# Allegro board meta_module_lay_rev1.brd (continued)
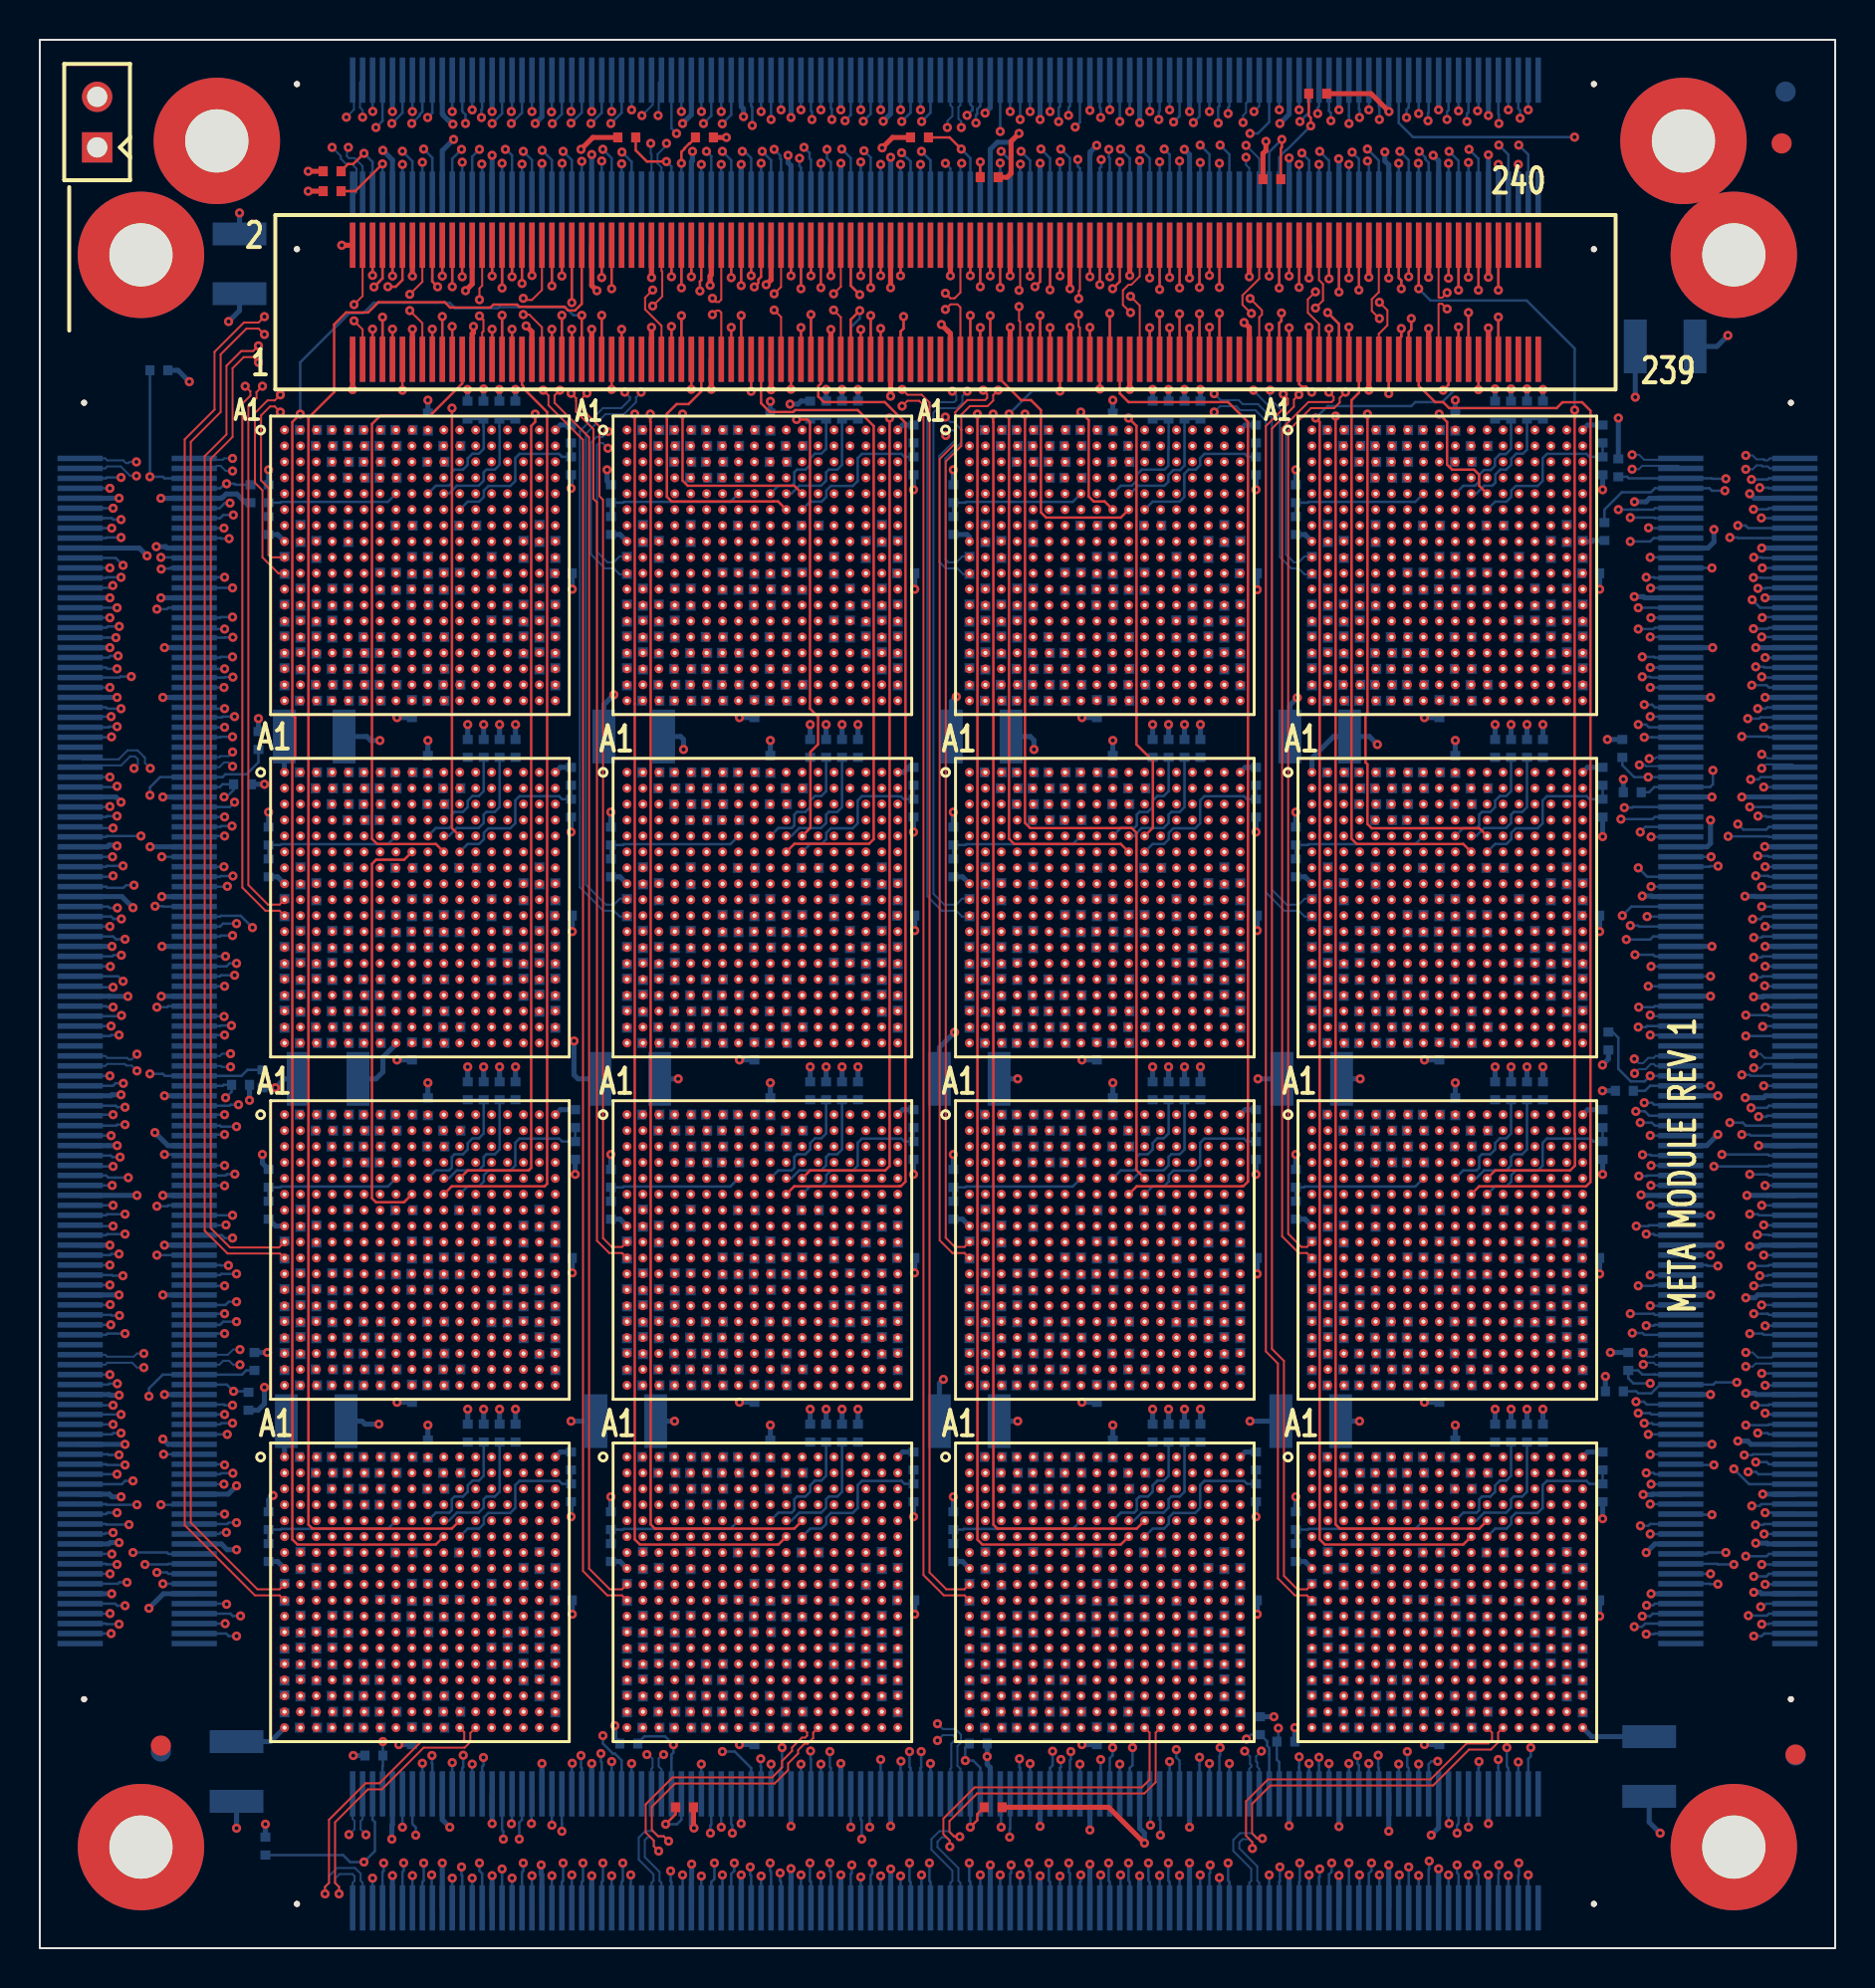
[diagram p0: board, top side]
## Placement (name value [footprint] x y rotation side) (continued)
C263  0.1 uF  [0402]  53.09 17.88 270 bottom
C264  0.1 uF  [0402]  55.49 17.08 270 bottom
C265  0.1 uF  [0402]  49.89 16.28 270 bottom
C266  0.1 uF  [0402]  51.08 14.28 0 bottom
C267  0.1 uF  [0402]  52.69 19.88 180 bottom
C268  0.1 uF  [0402]  49.89 19.48 270 bottom
C269  0.1 uF  [0402]  57.08 14.68 90 bottom
C270  0.1 uF  [0402]  55.89 19.88 180 bottom
C271  0.1 uF  [0402]  54.28 14.28 0 bottom
C272  0.1 uF  [0402]  57.09 17.88 90 bottom
J1  BSH120  [SAMTEC_BSH-120-XX-X-D-A]  45.48 91 180 bottom
J3  BSH120  [SAMTEC_BSH-120-XX-X-D-A]  85.28 45.08 90 bottom
J5  BSH120  [SAMTEC_BSH-120-XX-X-D-A]  45.48 4.89 0 bottom
J6  BSH120  [SAMTEC_BSH-120-XX-X-D-A]  4.89 45.08 270 bottom
J15  -  [HDR_1X2_TH_VER]  2.88 90.48 90 top
J16  BSH120  [SAMTEC_BSH-120-XX-X-D-A]  45.48 82.7 0 top
J18  BSH120  [SAMTEC_BSH-120-XX-X-D-A_NOMH]  45.48 82.7 180 bottom
NOREF  -  []  85.08 5.08 90 top
NOREF#2  -  []  0 0 0 top
NOREF#3  -  []  5.08 5.08 0 top
NOREF#4  -  []  90.17 0 90 top
NOREF#5  -  [unnamed#2]  85.08 5.08 0 top
NOREF#6  -  [unnamed#2]  82.55 90.8 0 top
NOREF#7  -  [unnamed#2]  85.08 85.08 0 top
NOREF#8  -  [unnamed#3]  6.08 10.18 90 top
NOREF#9  -  [unnamed#3]  87.48 90.68 90 top
NOREF#10  -  [unnamed#2]  5.08 5.08 0 top
NOREF#11  -  [unnamed#2]  5.08 85.08 0 top
NOREF#12  -  [unnamed#2]  8.89 90.8 0 top
NOREF#13  -  [unnamed#3]  88.18 9.73 90 top
NOREF#14  -  [unnamed#3]  6.08 9.88 90 bottom
NOREF#15  -  [unnamed#3]  87.68 93.28 90 bottom
NOREF#16  -  [unnamed#3]  88.18 9.68 90 bottom
R1  100.0  [0402]  30.69 76.28 180 bottom
R2  100.0  [0402]  33.89 74.68 180 bottom
R3  100.0  [0402]  31.49 75.48 180 bottom
R4  100.0  [0402]  34.69 73.88 180 bottom
R5  100.0  [0402]  32.29 74.68 180 bottom
R6  100.0  [0402]  33.89 76.28 180 bottom
R7  100.0  [0402]  33.09 73.88 180 bottom
R8  100.0  [0402]  34.69 75.48 180 bottom
R9  100.0  [0402]  32.29 76.28 180 bottom
R10  100.0  [0402]  37.89 75.48 180 bottom
R11  100.0  [0402]  33.09 75.48 180 bottom
R12  100.0  [0402]  37.09 74.68 180 bottom
R13  100.0  [0402]  43.09 63.88 90 bottom
R14  100.0  [0402]  41.49 67.08 90 bottom
R15  100.0  [0402]  40.69 67.88 90 bottom
R16  100.0  [0402]  41.49 65.48 90 bottom
R17  100.0  [0402]  43.09 67.08 90 bottom
R18  100.0  [0402]  42.29 64.68 90 bottom
R19  100.0  [0402]  40.69 66.28 90 bottom
R20  100.0  [0402]  42.29 67.88 90 bottom
R21  100.0  [0402]  43.09 65.48 90 bottom
R22  100.0  [0402]  42.29 71.08 90 bottom
R23  100.0  [0402]  42.29 66.28 90 bottom
R24  100.0  [0402]  41.49 70.28 90 bottom
R25  100.0  [0402]  29.49 63.88 270 bottom
R26  100.0  [0402]  31.09 67.08 270 bottom
R27  100.0  [0402]  30.29 64.68 270 bottom
R28  100.0  [0402]  31.89 67.88 270 bottom
R29  100.0  [0402]  31.09 65.48 270 bottom
R30  100.0  [0402]  29.49 67.08 270 bottom
R31  100.0  [0402]  31.89 66.28 270 bottom
R32  100.0  [0402]  30.29 67.88 270 bottom
R33  100.0  [0402]  29.49 65.48 270 bottom
R34  100.0  [0402]  30.29 71.08 270 bottom
R35  100.0  [0402]  30.29 66.28 270 bottom
R36  100.0  [0402]  31.09 70.28 270 bottom
R37  100.0  [0402]  33.89 64.28 0 bottom
R38  100.0  [0402]  31.49 63.48 0 bottom
R39  100.0  [0402]  34.69 65.08 0 bottom
R40  100.0  [0402]  32.29 64.28 0 bottom
R41  100.0  [0402]  33.89 62.68 0 bottom
R42  100.0  [0402]  33.09 65.08 0 bottom
R43  100.0  [0402]  34.69 63.48 0 bottom
R44  100.0  [0402]  32.29 62.68 0 bottom
R45  100.0  [0402]  37.89 63.48 0 bottom
R46  100.0  [0402]  30.69 62.68 0 bottom
R47  100.0  [0402]  33.09 63.48 0 bottom
R48  100.0  [0402]  37.09 64.28 0 bottom
R49  100.0  [0402]  29.49 69.48 270 bottom
R50  10K  [0402]  38.69 77.28 90 bottom
R51  10K  [0402]  40.29 77.28 90 bottom
R52  10K  [0402]  28.68 73.08 90 bottom
R53  10K  [0402]  43.88 74.48 270 bottom
R54  10K  [0402]  39.49 77.28 270 bottom
R55  10K  [0402]  41.09 77.28 270 bottom
R56  10K  [0402]  28.68 71.48 90 bottom
R57  10K  [0402]  43.88 76.08 270 bottom
R58  100.0  [0402]  30.69 59.08 180 bottom
R59  100.0  [0402]  33.89 57.48 180 bottom
R60  100.0  [0402]  31.49 58.28 180 bottom
R61  100.0  [0402]  34.69 56.68 180 bottom
R62  100.0  [0402]  32.29 57.48 180 bottom
R63  100.0  [0402]  33.89 59.08 180 bottom
R64  100.0  [0402]  33.09 56.68 180 bottom
R65  100.0  [0402]  34.69 58.28 180 bottom
R66  100.0  [0402]  32.29 59.08 180 bottom
R67  100.0  [0402]  37.89 58.28 180 bottom
R68  100.0  [0402]  33.09 58.28 180 bottom
R69  100.0  [0402]  37.09 57.48 180 bottom
R70  100.0  [0402]  43.09 46.68 90 bottom
R71  100.0  [0402]  41.49 49.88 90 bottom
R72  100.0  [0402]  40.69 50.68 90 bottom
R73  100.0  [0402]  41.49 48.28 90 bottom
R74  100.0  [0402]  43.09 49.88 90 bottom
R75  100.0  [0402]  42.29 47.48 90 bottom
R76  100.0  [0402]  40.69 49.08 90 bottom
R77  100.0  [0402]  42.29 50.68 90 bottom
R78  100.0  [0402]  43.09 48.28 90 bottom
R79  100.0  [0402]  42.29 53.88 90 bottom
R80  100.0  [0402]  42.29 49.08 90 bottom
R81  100.0  [0402]  41.49 53.08 90 bottom
R82  100.0  [0402]  29.49 46.68 270 bottom
R83  100.0  [0402]  31.09 49.88 270 bottom
R84  100.0  [0402]  30.29 47.48 270 bottom
R85  100.0  [0402]  31.89 50.68 270 bottom
R86  100.0  [0402]  31.09 48.28 270 bottom
R87  100.0  [0402]  29.49 49.88 270 bottom
R88  100.0  [0402]  31.89 49.08 270 bottom
R89  100.0  [0402]  30.29 50.68 270 bottom
R90  100.0  [0402]  29.49 48.28 270 bottom
R91  100.0  [0402]  30.29 53.88 270 bottom
R92  100.0  [0402]  30.29 49.08 270 bottom
R93  100.0  [0402]  31.09 53.08 270 bottom
R94  100.0  [0402]  32.29 47.08 0 bottom
R95  100.0  [0402]  33.89 45.48 0 bottom
R96  100.0  [0402]  30.69 45.48 0 bottom
R97  100.0  [0402]  33.89 47.08 0 bottom
R98  100.0  [0402]  31.49 46.28 0 bottom
R99  100.0  [0402]  34.69 47.88 0 bottom
R100  100.0  [0402]  33.09 47.88 0 bottom
R101  100.0  [0402]  34.69 46.28 0 bottom
R102  100.0  [0402]  32.29 45.48 0 bottom
R103  100.0  [0402]  37.89 46.28 0 bottom
R104  100.0  [0402]  33.09 46.28 0 bottom
R105  100.0  [0402]  37.09 47.08 0 bottom
R106  100.0  [0402]  29.49 52.28 270 bottom
R107  10K  [0402]  38.69 60.28 90 bottom
R108  10K  [0402]  40.29 60.28 90 bottom
R109  10K  [0402]  28.68 55.88 90 bottom
R110  10K  [0402]  43.88 57.28 270 bottom
R111  10K  [0402]  39.49 60.28 270 bottom
R112  10K  [0402]  41.09 60.28 270 bottom
R113  10K  [0402]  28.68 54.28 90 bottom
R114  10K  [0402]  43.88 58.88 270 bottom
R115  100.0  [0402]  13.49 76.28 180 bottom
R116  100.0  [0402]  16.69 74.68 180 bottom
R117  100.0  [0402]  14.29 75.48 180 bottom
R118  100.0  [0402]  17.49 73.88 180 bottom
R119  100.0  [0402]  15.09 74.68 180 bottom
R120  100.0  [0402]  16.69 76.28 180 bottom
R121  100.0  [0402]  15.89 73.88 180 bottom
R122  100.0  [0402]  17.49 75.48 180 bottom
R123  100.0  [0402]  15.09 76.28 180 bottom
R124  100.0  [0402]  20.69 75.48 180 bottom
R125  100.0  [0402]  15.89 75.48 180 bottom
R126  100.0  [0402]  19.89 74.68 180 bottom
R127  100.0  [0402]  25.89 63.88 90 bottom
R128  100.0  [0402]  24.29 67.08 90 bottom
R129  100.0  [0402]  25.09 64.68 90 bottom
R130  100.0  [0402]  23.49 67.88 90 bottom
R131  100.0  [0402]  24.29 65.48 90 bottom
R132  100.0  [0402]  25.89 67.08 90 bottom
R133  100.0  [0402]  23.49 66.28 90 bottom
R134  100.0  [0402]  25.09 67.88 90 bottom
R135  100.0  [0402]  25.89 65.48 90 bottom
R136  100.0  [0402]  25.09 71.08 90 bottom
R137  100.0  [0402]  25.09 66.28 90 bottom
R138  100.0  [0402]  24.29 70.28 90 bottom
R139  100.0  [0402]  12.29 63.88 270 bottom
R140  100.0  [0402]  13.89 67.08 270 bottom
R141  100.0  [0402]  13.09 64.68 270 bottom
R142  100.0  [0402]  14.69 67.88 270 bottom
R143  100.0  [0402]  13.89 65.48 270 bottom
R144  100.0  [0402]  12.29 67.08 270 bottom
R145  100.0  [0402]  14.69 66.28 270 bottom
R146  100.0  [0402]  13.09 67.88 270 bottom
R147  100.0  [0402]  12.29 65.48 270 bottom
R148  100.0  [0402]  13.09 71.08 270 bottom
R149  100.0  [0402]  13.09 66.28 270 bottom
R150  100.0  [0402]  13.89 70.28 270 bottom
R151  100.0  [0402]  15.09 64.28 0 bottom
R152  100.0  [0402]  16.69 62.68 0 bottom
R153  100.0  [0402]  13.49 62.68 0 bottom
R154  100.0  [0402]  16.69 64.28 0 bottom
R155  100.0  [0402]  14.29 63.48 0 bottom
R156  100.0  [0402]  17.49 65.08 0 bottom
R157  100.0  [0402]  15.89 65.08 0 bottom
R158  100.0  [0402]  17.49 63.48 0 bottom
R159  100.0  [0402]  15.09 62.68 0 bottom
R160  100.0  [0402]  20.69 63.48 0 bottom
R161  100.0  [0402]  15.89 63.48 0 bottom
R162  100.0  [0402]  19.89 64.28 0 bottom
R163  100.0  [0402]  12.29 69.48 270 bottom
R164  10K  [0402]  21.48 77.28 90 bottom
R165  10K  [0402]  23.08 77.28 90 bottom
R166  10K  [0402]  11.49 73.08 90 bottom
R167  10K  [0402]  26.68 74.48 270 bottom
R168  10K  [0402]  22.28 77.28 270 bottom
R169  10K  [0402]  23.88 77.28 270 bottom
R170  10K  [0402]  11.49 71.48 90 bottom
R171  10K  [0402]  26.68 76.08 270 bottom
R172  100.0  [0402]  13.49 59.08 180 bottom
R173  100.0  [0402]  16.69 57.48 180 bottom
R174  100.0  [0402]  14.29 58.28 180 bottom
R175  100.0  [0402]  17.49 56.68 180 bottom
R176  100.0  [0402]  15.09 57.48 180 bottom
R177  100.0  [0402]  16.69 59.08 180 bottom
R178  100.0  [0402]  15.89 56.68 180 bottom
R179  100.0  [0402]  17.49 58.28 180 bottom
R180  100.0  [0402]  15.09 59.08 180 bottom
R181  100.0  [0402]  20.69 58.28 180 bottom
R182  100.0  [0402]  15.89 58.28 180 bottom
R183  100.0  [0402]  19.89 57.48 180 bottom
R184  100.0  [0402]  25.89 46.68 90 bottom
R185  100.0  [0402]  24.29 49.88 90 bottom
R186  100.0  [0402]  25.09 47.48 90 bottom
R187  100.0  [0402]  23.49 50.68 90 bottom
R188  100.0  [0402]  24.29 48.28 90 bottom
R189  100.0  [0402]  25.89 49.88 90 bottom
R190  100.0  [0402]  23.49 49.08 90 bottom
R191  100.0  [0402]  25.09 50.68 90 bottom
R192  100.0  [0402]  25.89 48.28 90 bottom
R193  100.0  [0402]  25.09 53.88 90 bottom
R194  100.0  [0402]  25.09 49.08 90 bottom
R195  100.0  [0402]  24.29 53.08 90 bottom
R196  100.0  [0402]  12.29 46.68 270 bottom
R197  100.0  [0402]  13.89 49.88 270 bottom
R198  100.0  [0402]  13.09 47.48 270 bottom
R199  100.0  [0402]  14.69 50.68 270 bottom
R200  100.0  [0402]  13.89 48.28 270 bottom
R201  100.0  [0402]  12.29 49.88 270 bottom
R202  100.0  [0402]  14.69 49.08 270 bottom
R203  100.0  [0402]  13.09 50.68 270 bottom
R204  100.0  [0402]  12.29 48.28 270 bottom
R205  100.0  [0402]  13.09 53.88 270 bottom
R206  100.0  [0402]  13.09 49.08 270 bottom
R207  100.0  [0402]  13.89 53.08 270 bottom
R208  100.0  [0402]  15.09 47.08 0 bottom
R209  100.0  [0402]  16.69 45.48 0 bottom
R210  100.0  [0402]  13.49 45.48 0 bottom
R211  100.0  [0402]  16.69 47.08 0 bottom
R212  100.0  [0402]  14.29 46.28 0 bottom
R213  100.0  [0402]  17.49 47.88 0 bottom
R214  100.0  [0402]  15.89 47.88 0 bottom
R215  100.0  [0402]  17.49 46.28 0 bottom
R216  100.0  [0402]  15.09 45.48 0 bottom
R217  100.0  [0402]  20.69 46.28 0 bottom
R218  100.0  [0402]  15.89 46.28 0 bottom
R219  100.0  [0402]  19.89 47.08 0 bottom
R220  100.0  [0402]  12.29 52.28 270 bottom
R221  10K  [0402]  21.49 60.28 90 bottom
R222  10K  [0402]  23.09 60.28 90 bottom
R223  10K  [0402]  11.49 55.88 90 bottom
R224  10K  [0402]  26.68 57.28 270 bottom
R225  10K  [0402]  22.29 60.28 270 bottom
R226  10K  [0402]  23.89 60.28 270 bottom
R227  10K  [0402]  11.49 54.28 90 bottom
R228  10K  [0402]  26.68 58.88 270 bottom
R229  100.0  [0402]  65.09 76.28 180 bottom
R230  100.0  [0402]  68.29 74.68 180 bottom
R231  100.0  [0402]  65.89 75.48 180 bottom
R232  100.0  [0402]  69.09 73.88 180 bottom
R233  100.0  [0402]  66.69 74.68 180 bottom
R234  100.0  [0402]  68.29 76.28 180 bottom
R235  100.0  [0402]  67.49 73.88 180 bottom
R236  100.0  [0402]  69.09 75.48 180 bottom
R237  100.0  [0402]  66.69 76.28 180 bottom
R238  100.0  [0402]  72.29 75.48 180 bottom
R239  100.0  [0402]  67.49 75.48 180 bottom
R240  100.0  [0402]  71.49 74.68 180 bottom
R241  100.0  [0402]  77.49 63.88 90 bottom
R242  100.0  [0402]  75.89 67.08 90 bottom
R243  100.0  [0402]  76.69 64.68 90 bottom
R244  100.0  [0402]  75.09 67.88 90 bottom
R245  100.0  [0402]  75.89 65.48 90 bottom
R246  100.0  [0402]  77.49 67.08 90 bottom
R247  100.0  [0402]  75.09 66.28 90 bottom
R248  100.0  [0402]  76.69 67.88 90 bottom
R249  100.0  [0402]  77.49 65.48 90 bottom
R250  100.0  [0402]  76.69 71.08 90 bottom
R251  100.0  [0402]  76.69 66.28 90 bottom
R252  100.0  [0402]  75.89 70.28 90 bottom
R253  100.0  [0402]  63.89 63.88 270 bottom
R254  100.0  [0402]  65.49 67.08 270 bottom
R255  100.0  [0402]  64.69 64.68 270 bottom
R256  100.0  [0402]  66.29 67.88 270 bottom
R257  100.0  [0402]  65.49 65.48 270 bottom
R258  100.0  [0402]  63.89 67.08 270 bottom
R259  100.0  [0402]  66.29 66.28 270 bottom
R260  100.0  [0402]  64.69 67.88 270 bottom
R261  100.0  [0402]  63.89 65.48 270 bottom
R262  100.0  [0402]  64.69 71.08 270 bottom
R263  100.0  [0402]  64.69 66.28 270 bottom
R264  100.0  [0402]  65.49 70.28 270 bottom
R265  100.0  [0402]  66.69 64.28 0 bottom
R266  100.0  [0402]  68.29 62.68 0 bottom
R267  100.0  [0402]  65.09 62.68 0 bottom
R268  100.0  [0402]  68.29 64.28 0 bottom
R269  100.0  [0402]  65.89 63.48 0 bottom
R270  100.0  [0402]  69.09 65.08 0 bottom
R271  100.0  [0402]  67.49 65.08 0 bottom
R272  100.0  [0402]  69.09 63.48 0 bottom
R273  100.0  [0402]  66.69 62.68 0 bottom
R274  100.0  [0402]  72.29 63.48 0 bottom
R275  100.0  [0402]  67.49 63.48 0 bottom
R276  100.0  [0402]  71.49 64.28 0 bottom
R277  100.0  [0402]  63.89 69.48 270 bottom
R278  10K  [0402]  73.09 77.28 90 bottom
R279  10K  [0402]  74.69 77.28 90 bottom
R280  10K  [0402]  63.08 73.08 90 bottom
R281  10K  [0402]  78.49 74.48 270 bottom
R282  10K  [0402]  73.89 77.28 270 bottom
R283  10K  [0402]  75.49 77.28 270 bottom
R284  10K  [0402]  63.08 71.48 90 bottom
R285  10K  [0402]  78.49 76.08 270 bottom
R286  100.0  [0402]  65.09 59.08 180 bottom
R287  100.0  [0402]  68.29 57.48 180 bottom
R288  100.0  [0402]  65.89 58.28 180 bottom
R289  100.0  [0402]  69.09 56.68 180 bottom
R290  100.0  [0402]  66.69 57.48 180 bottom
R291  100.0  [0402]  68.29 59.08 180 bottom
R292  100.0  [0402]  67.49 56.68 180 bottom
R293  100.0  [0402]  69.09 58.28 180 bottom
R294  100.0  [0402]  66.69 59.08 180 bottom
R295  100.0  [0402]  72.29 58.28 180 bottom
R296  100.0  [0402]  67.49 58.28 180 bottom
R297  100.0  [0402]  71.49 57.48 180 bottom
R298  100.0  [0402]  77.49 46.68 90 bottom
R299  100.0  [0402]  75.89 49.88 90 bottom
R300  100.0  [0402]  76.69 47.48 90 bottom
R301  100.0  [0402]  75.09 50.68 90 bottom
R302  100.0  [0402]  75.89 48.28 90 bottom
R303  100.0  [0402]  77.49 49.88 90 bottom
R304  100.0  [0402]  75.09 49.08 90 bottom
R305  100.0  [0402]  76.69 50.68 90 bottom
R306  100.0  [0402]  77.49 48.28 90 bottom
R307  100.0  [0402]  76.69 53.88 90 bottom
R308  100.0  [0402]  76.69 49.08 90 bottom
R309  100.0  [0402]  75.89 53.08 90 bottom
R310  100.0  [0402]  63.89 46.68 270 bottom
R311  100.0  [0402]  65.49 49.88 270 bottom
R312  100.0  [0402]  64.69 47.48 270 bottom
R313  100.0  [0402]  66.29 50.68 270 bottom
R314  100.0  [0402]  65.49 48.28 270 bottom
R315  100.0  [0402]  63.89 49.88 270 bottom
R316  100.0  [0402]  66.29 49.08 270 bottom
R317  100.0  [0402]  64.69 50.68 270 bottom
R318  100.0  [0402]  63.89 48.28 270 bottom
R319  100.0  [0402]  64.69 53.88 270 bottom
R320  100.0  [0402]  64.69 49.08 270 bottom
R321  100.0  [0402]  65.49 53.08 270 bottom
R322  100.0  [0402]  66.69 47.08 0 bottom
R323  100.0  [0402]  68.29 45.48 0 bottom
R324  100.0  [0402]  65.09 45.48 0 bottom
R325  100.0  [0402]  68.29 47.08 0 bottom
R326  100.0  [0402]  65.89 46.28 0 bottom
R327  100.0  [0402]  69.09 47.88 0 bottom
R328  100.0  [0402]  67.49 47.88 0 bottom
R329  100.0  [0402]  69.09 46.28 0 bottom
R330  100.0  [0402]  66.69 45.48 0 bottom
R331  100.0  [0402]  72.29 46.28 0 bottom
R332  100.0  [0402]  67.49 46.28 0 bottom
R333  100.0  [0402]  71.49 47.08 0 bottom
R334  100.0  [0402]  63.89 52.28 270 bottom
R335  10K  [0402]  73.09 60.28 90 bottom
R336  10K  [0402]  74.69 60.28 90 bottom
R337  10K  [0402]  63.08 55.88 90 bottom
R338  10K  [0402]  78.49 57.28 270 bottom
R339  10K  [0402]  73.89 60.28 270 bottom
R340  10K  [0402]  75.49 60.28 270 bottom
R341  10K  [0402]  63.08 54.28 90 bottom
R342  10K  [0402]  78.49 58.88 270 bottom
R343  100.0  [0402]  47.89 76.28 180 bottom
R344  100.0  [0402]  51.09 74.68 180 bottom
R345  100.0  [0402]  48.69 75.48 180 bottom
R346  100.0  [0402]  51.89 73.88 180 bottom
R347  100.0  [0402]  49.49 74.68 180 bottom
R348  100.0  [0402]  51.09 76.28 180 bottom
R349  100.0  [0402]  50.29 73.88 180 bottom
R350  100.0  [0402]  51.89 75.48 180 bottom
R351  100.0  [0402]  49.49 76.28 180 bottom
R352  100.0  [0402]  55.09 75.48 180 bottom
R353  100.0  [0402]  50.29 75.48 180 bottom
R354  100.0  [0402]  54.29 74.68 180 bottom
R355  100.0  [0402]  60.29 63.88 90 bottom
R356  100.0  [0402]  58.69 67.08 90 bottom
R357  100.0  [0402]  59.49 64.68 90 bottom
R358  100.0  [0402]  57.89 67.88 90 bottom
R359  100.0  [0402]  58.69 65.48 90 bottom
R360  100.0  [0402]  60.29 67.08 90 bottom
R361  100.0  [0402]  57.89 66.28 90 bottom
R362  100.0  [0402]  59.49 67.88 90 bottom
R363  100.0  [0402]  60.29 65.48 90 bottom
R364  100.0  [0402]  59.49 71.08 90 bottom
R365  100.0  [0402]  59.49 66.28 90 bottom
R366  100.0  [0402]  58.69 70.28 90 bottom
R367  100.0  [0402]  46.69 63.88 270 bottom
R368  100.0  [0402]  48.29 67.08 270 bottom
R369  100.0  [0402]  47.49 64.68 270 bottom
R370  100.0  [0402]  49.09 67.88 270 bottom
R371  100.0  [0402]  48.29 65.48 270 bottom
R372  100.0  [0402]  46.69 67.08 270 bottom
R373  100.0  [0402]  49.09 66.28 270 bottom
R374  100.0  [0402]  47.49 67.88 270 bottom
R375  100.0  [0402]  46.69 65.48 270 bottom
R376  100.0  [0402]  47.49 71.08 270 bottom
R377  100.0  [0402]  47.49 66.28 270 bottom
R378  100.0  [0402]  48.29 70.28 270 bottom
R379  100.0  [0402]  49.49 64.28 0 bottom
R380  100.0  [0402]  51.09 62.68 0 bottom
R381  100.0  [0402]  47.89 62.68 0 bottom
R382  100.0  [0402]  51.09 64.28 0 bottom
R383  100.0  [0402]  48.69 63.48 0 bottom
R384  100.0  [0402]  51.89 65.08 0 bottom
R385  100.0  [0402]  50.29 65.08 0 bottom
R386  100.0  [0402]  51.89 63.48 0 bottom
R387  100.0  [0402]  49.49 62.68 0 bottom
R388  100.0  [0402]  55.09 63.48 0 bottom
R389  100.0  [0402]  50.29 63.48 0 bottom
R390  100.0  [0402]  54.29 64.28 0 bottom
R391  100.0  [0402]  46.69 69.48 270 bottom
R392  10K  [0402]  55.89 77.28 90 bottom
R393  10K  [0402]  57.49 77.28 90 bottom
R394  10K  [0402]  45.88 73.08 90 bottom
R395  10K  [0402]  61.08 74.48 270 bottom
R396  10K  [0402]  56.69 77.28 270 bottom
R397  10K  [0402]  58.29 77.28 270 bottom
R398  10K  [0402]  45.88 71.48 90 bottom
R399  10K  [0402]  61.08 76.08 270 bottom
R400  100.0  [0402]  47.89 59.08 180 bottom
R401  100.0  [0402]  51.09 57.48 180 bottom
R402  100.0  [0402]  48.69 58.28 180 bottom
R403  100.0  [0402]  51.89 56.68 180 bottom
R404  100.0  [0402]  49.49 57.48 180 bottom
R405  100.0  [0402]  51.09 59.08 180 bottom
R406  100.0  [0402]  50.29 56.68 180 bottom
R407  100.0  [0402]  51.89 58.28 180 bottom
R408  100.0  [0402]  49.49 59.08 180 bottom
R409  100.0  [0402]  55.09 58.28 180 bottom
R410  100.0  [0402]  50.29 58.28 180 bottom
R411  100.0  [0402]  54.29 57.48 180 bottom
R412  100.0  [0402]  60.29 46.68 90 bottom
R413  100.0  [0402]  58.69 49.88 90 bottom
R414  100.0  [0402]  59.49 47.48 90 bottom
R415  100.0  [0402]  57.89 50.68 90 bottom
R416  100.0  [0402]  58.69 48.28 90 bottom
R417  100.0  [0402]  60.29 49.88 90 bottom
R418  100.0  [0402]  57.89 49.08 90 bottom
R419  100.0  [0402]  59.49 50.68 90 bottom
R420  100.0  [0402]  60.29 48.28 90 bottom
R421  100.0  [0402]  59.49 53.88 90 bottom
R422  100.0  [0402]  59.49 49.08 90 bottom
R423  100.0  [0402]  58.69 53.08 90 bottom
R424  100.0  [0402]  46.69 46.68 270 bottom
R425  100.0  [0402]  48.29 49.88 270 bottom
R426  100.0  [0402]  47.49 47.48 270 bottom
R427  100.0  [0402]  49.09 50.68 270 bottom
R428  100.0  [0402]  48.29 48.28 270 bottom
R429  100.0  [0402]  46.69 49.88 270 bottom
R430  100.0  [0402]  49.09 49.08 270 bottom
R431  100.0  [0402]  47.49 50.68 270 bottom
R432  100.0  [0402]  46.69 48.28 270 bottom
R433  100.0  [0402]  47.49 53.88 270 bottom
R434  100.0  [0402]  47.49 49.08 270 bottom
R435  100.0  [0402]  48.29 53.08 270 bottom
R436  100.0  [0402]  49.49 47.08 0 bottom
R437  100.0  [0402]  51.09 45.48 0 bottom
R438  100.0  [0402]  47.89 45.48 0 bottom
R439  100.0  [0402]  51.09 47.08 0 bottom
R440  100.0  [0402]  48.69 46.28 0 bottom
R441  100.0  [0402]  51.89 47.88 0 bottom
R442  100.0  [0402]  50.29 47.88 0 bottom
R443  100.0  [0402]  51.89 46.28 0 bottom
R444  100.0  [0402]  49.49 45.48 0 bottom
R445  100.0  [0402]  55.09 46.28 0 bottom
R446  100.0  [0402]  50.29 46.28 0 bottom
R447  100.0  [0402]  54.29 47.08 0 bottom
R448  100.0  [0402]  46.69 52.28 270 bottom
R449  10K  [0402]  55.89 60.28 90 bottom
R450  10K  [0402]  57.49 60.28 90 bottom
R451  10K  [0402]  45.88 55.88 90 bottom
R452  10K  [0402]  61.08 57.28 270 bottom
R453  10K  [0402]  56.69 60.28 270 bottom
R454  10K  [0402]  58.29 60.28 270 bottom
R455  10K  [0402]  45.88 54.28 90 bottom
R456  10K  [0402]  61.08 58.88 270 bottom
R457  100.0  [0402]  30.69 41.88 180 bottom
R458  100.0  [0402]  33.89 40.28 180 bottom
R459  100.0  [0402]  31.49 41.08 180 bottom
R460  100.0  [0402]  34.69 39.48 180 bottom
R461  100.0  [0402]  32.29 40.28 180 bottom
R462  100.0  [0402]  33.89 41.88 180 bottom
R463  100.0  [0402]  33.09 39.48 180 bottom
R464  100.0  [0402]  34.69 41.08 180 bottom
R465  100.0  [0402]  32.29 41.88 180 bottom
R466  100.0  [0402]  37.89 41.08 180 bottom
R467  100.0  [0402]  33.09 41.08 180 bottom
R468  100.0  [0402]  37.09 40.28 180 bottom
R469  100.0  [0402]  43.09 29.48 90 bottom
R470  100.0  [0402]  41.49 32.68 90 bottom
R471  100.0  [0402]  42.29 30.28 90 bottom
R472  100.0  [0402]  40.69 33.48 90 bottom
R473  100.0  [0402]  41.49 31.08 90 bottom
R474  100.0  [0402]  43.09 32.68 90 bottom
R475  100.0  [0402]  40.69 31.88 90 bottom
R476  100.0  [0402]  42.29 33.48 90 bottom
R477  100.0  [0402]  43.09 31.08 90 bottom
R478  100.0  [0402]  42.29 36.68 90 bottom
R479  100.0  [0402]  42.29 31.88 90 bottom
R480  100.0  [0402]  41.49 35.88 90 bottom
R481  100.0  [0402]  29.49 29.48 270 bottom
R482  100.0  [0402]  31.09 32.68 270 bottom
R483  100.0  [0402]  30.29 30.28 270 bottom
R484  100.0  [0402]  31.89 33.48 270 bottom
R485  100.0  [0402]  31.09 31.08 270 bottom
R486  100.0  [0402]  29.49 32.68 270 bottom
R487  100.0  [0402]  31.89 31.88 270 bottom
R488  100.0  [0402]  30.29 33.48 270 bottom
R489  100.0  [0402]  29.49 31.08 270 bottom
R490  100.0  [0402]  30.29 36.68 270 bottom
R491  100.0  [0402]  30.29 31.88 270 bottom
R492  100.0  [0402]  31.09 35.88 270 bottom
R493  100.0  [0402]  32.29 29.88 0 bottom
R494  100.0  [0402]  33.89 28.28 0 bottom
R495  100.0  [0402]  30.69 28.28 0 bottom
R496  100.0  [0402]  33.89 29.88 0 bottom
R497  100.0  [0402]  31.49 29.08 0 bottom
R498  100.0  [0402]  34.69 30.68 0 bottom
R499  100.0  [0402]  33.09 30.68 0 bottom
R500  100.0  [0402]  34.69 29.08 0 bottom
R501  100.0  [0402]  32.29 28.28 0 bottom
R502  100.0  [0402]  37.89 29.08 0 bottom
R503  100.0  [0402]  33.09 29.08 0 bottom
R504  100.0  [0402]  37.09 29.88 0 bottom
R505  100.0  [0402]  29.49 35.08 270 bottom
R506  10K  [0402]  38.69 43.08 90 bottom
R507  10K  [0402]  40.29 43.08 90 bottom
R508  10K  [0402]  28.68 38.68 90 bottom
R509  10K  [0402]  43.88 40.08 270 bottom
R510  10K  [0402]  39.49 43.08 270 bottom
R511  10K  [0402]  41.09 43.08 270 bottom
R512  10K  [0402]  28.68 37.08 90 bottom
R513  10K  [0402]  43.88 41.68 270 bottom
R514  100.0  [0402]  30.69 24.68 180 bottom
R515  100.0  [0402]  33.89 23.08 180 bottom
R516  100.0  [0402]  31.49 23.88 180 bottom
R517  100.0  [0402]  34.69 22.28 180 bottom
R518  100.0  [0402]  32.29 23.08 180 bottom
R519  100.0  [0402]  33.89 24.68 180 bottom
R520  100.0  [0402]  33.09 22.28 180 bottom
R521  100.0  [0402]  34.69 23.88 180 bottom
R522  100.0  [0402]  32.29 24.68 180 bottom
R523  100.0  [0402]  37.89 23.88 180 bottom
R524  100.0  [0402]  33.09 23.88 180 bottom
R525  100.0  [0402]  37.09 23.08 180 bottom
R526  100.0  [0402]  43.09 12.28 90 bottom
R527  100.0  [0402]  41.49 15.48 90 bottom
R528  100.0  [0402]  42.29 13.08 90 bottom
R529  100.0  [0402]  40.69 16.28 90 bottom
R530  100.0  [0402]  41.49 13.88 90 bottom
R531  100.0  [0402]  43.09 15.48 90 bottom
R532  100.0  [0402]  40.69 14.68 90 bottom
R533  100.0  [0402]  42.29 16.28 90 bottom
R534  100.0  [0402]  43.09 13.88 90 bottom
R535  100.0  [0402]  42.29 19.48 90 bottom
R536  100.0  [0402]  42.29 14.68 90 bottom
R537  100.0  [0402]  41.49 18.68 90 bottom
R538  100.0  [0402]  29.49 12.28 270 bottom
R539  100.0  [0402]  31.09 15.48 270 bottom
R540  100.0  [0402]  30.29 13.08 270 bottom
R541  100.0  [0402]  31.89 16.28 270 bottom
R542  100.0  [0402]  31.09 13.88 270 bottom
R543  100.0  [0402]  29.49 15.48 270 bottom
R544  100.0  [0402]  31.89 14.68 270 bottom
R545  100.0  [0402]  30.29 16.28 270 bottom
R546  100.0  [0402]  29.49 13.88 270 bottom
R547  100.0  [0402]  30.29 19.48 270 bottom
R548  100.0  [0402]  30.29 14.68 270 bottom
R549  100.0  [0402]  31.09 18.68 270 bottom
R550  100.0  [0402]  32.29 12.68 0 bottom
R551  100.0  [0402]  33.89 11.08 0 bottom
R552  100.0  [0402]  30.69 11.08 0 bottom
R553  100.0  [0402]  33.89 12.68 0 bottom
R554  100.0  [0402]  31.49 11.88 0 bottom
R555  100.0  [0402]  34.69 13.48 0 bottom
R556  100.0  [0402]  33.09 13.48 0 bottom
R557  100.0  [0402]  34.69 11.88 0 bottom
R558  100.0  [0402]  32.29 11.08 0 bottom
R559  100.0  [0402]  37.89 11.88 0 bottom
R560  100.0  [0402]  33.09 11.88 0 bottom
R561  100.0  [0402]  37.09 12.68 0 bottom
R562  100.0  [0402]  29.49 17.88 270 bottom
R563  10K  [0402]  38.69 25.88 90 bottom
R564  10K  [0402]  40.29 25.88 90 bottom
R565  10K  [0402]  28.68 21.48 90 bottom
R566  10K  [0402]  43.88 22.88 270 bottom
R567  10K  [0402]  39.49 25.88 270 bottom
R568  10K  [0402]  41.09 25.88 270 bottom
R569  10K  [0402]  28.68 19.88 90 bottom
R570  10K  [0402]  43.88 24.48 270 bottom
R571  100.0  [0402]  13.49 41.88 180 bottom
R572  100.0  [0402]  16.69 40.28 180 bottom
R573  100.0  [0402]  14.29 41.08 180 bottom
R574  100.0  [0402]  17.49 39.48 180 bottom
R575  100.0  [0402]  15.09 40.28 180 bottom
R576  100.0  [0402]  16.69 41.88 180 bottom
R577  100.0  [0402]  15.89 39.48 180 bottom
R578  100.0  [0402]  17.49 41.08 180 bottom
R579  100.0  [0402]  15.09 41.88 180 bottom
R580  100.0  [0402]  20.69 41.08 180 bottom
R581  100.0  [0402]  15.89 41.08 180 bottom
R582  100.0  [0402]  19.89 40.28 180 bottom
R583  100.0  [0402]  25.89 29.48 90 bottom
R584  100.0  [0402]  24.29 32.68 90 bottom
R585  100.0  [0402]  25.09 30.28 90 bottom
R586  100.0  [0402]  23.49 33.48 90 bottom
R587  100.0  [0402]  24.29 31.08 90 bottom
R588  100.0  [0402]  25.89 32.68 90 bottom
R589  100.0  [0402]  23.49 31.88 90 bottom
R590  100.0  [0402]  25.09 33.48 90 bottom
R591  100.0  [0402]  25.89 31.08 90 bottom
R592  100.0  [0402]  25.09 36.68 90 bottom
R593  100.0  [0402]  25.09 31.88 90 bottom
R594  100.0  [0402]  24.29 35.88 90 bottom
R595  100.0  [0402]  12.29 29.48 270 bottom
R596  100.0  [0402]  13.89 32.68 270 bottom
R597  100.0  [0402]  13.09 30.28 270 bottom
R598  100.0  [0402]  14.69 33.48 270 bottom
R599  100.0  [0402]  13.89 31.08 270 bottom
R600  100.0  [0402]  12.29 32.68 270 bottom
R601  100.0  [0402]  14.69 31.88 270 bottom
R602  100.0  [0402]  13.09 33.48 270 bottom
R603  100.0  [0402]  12.29 31.08 270 bottom
R604  100.0  [0402]  13.09 36.68 270 bottom
R605  100.0  [0402]  13.09 31.88 270 bottom
R606  100.0  [0402]  13.89 35.88 270 bottom
R607  100.0  [0402]  15.09 29.88 0 bottom
R608  100.0  [0402]  16.69 28.28 0 bottom
R609  100.0  [0402]  13.49 28.28 0 bottom
R610  100.0  [0402]  16.69 29.88 0 bottom
R611  100.0  [0402]  14.29 29.08 0 bottom
R612  100.0  [0402]  17.49 30.68 0 bottom
R613  100.0  [0402]  15.89 30.68 0 bottom
R614  100.0  [0402]  17.49 29.08 0 bottom
R615  100.0  [0402]  15.09 28.28 0 bottom
R616  100.0  [0402]  20.69 29.08 0 bottom
R617  100.0  [0402]  15.89 29.08 0 bottom
R618  100.0  [0402]  19.89 29.88 0 bottom
R619  100.0  [0402]  12.29 35.08 270 bottom
R620  10K  [0402]  21.49 43.08 90 bottom
R621  10K  [0402]  23.09 43.08 90 bottom
R622  10K  [0402]  11.49 38.68 90 bottom
R623  10K  [0402]  26.89 40.08 270 bottom
R624  10K  [0402]  22.29 43.08 270 bottom
R625  10K  [0402]  23.89 43.08 270 bottom
R626  10K  [0402]  11.49 37.08 90 bottom
R627  10K  [0402]  26.89 41.68 270 bottom
R628  100.0  [0402]  13.49 24.68 180 bottom
R629  100.0  [0402]  16.69 23.08 180 bottom
R630  100.0  [0402]  14.29 23.88 180 bottom
R631  100.0  [0402]  17.49 22.28 180 bottom
R632  100.0  [0402]  15.09 23.08 180 bottom
R633  100.0  [0402]  16.69 24.68 180 bottom
R634  100.0  [0402]  15.89 22.28 180 bottom
R635  100.0  [0402]  17.49 23.88 180 bottom
R636  100.0  [0402]  15.09 24.68 180 bottom
R637  100.0  [0402]  20.69 23.88 180 bottom
R638  100.0  [0402]  15.89 23.88 180 bottom
R639  100.0  [0402]  19.89 23.08 180 bottom
R640  100.0  [0402]  25.89 12.28 90 bottom
R641  100.0  [0402]  24.29 15.48 90 bottom
R642  100.0  [0402]  25.09 13.08 90 bottom
R643  100.0  [0402]  23.49 16.28 90 bottom
R644  100.0  [0402]  24.29 13.88 90 bottom
R645  100.0  [0402]  25.89 15.48 90 bottom
R646  100.0  [0402]  23.49 14.68 90 bottom
R647  100.0  [0402]  25.09 16.28 90 bottom
R648  100.0  [0402]  25.89 13.88 90 bottom
R649  100.0  [0402]  25.09 19.48 90 bottom
R650  100.0  [0402]  25.09 14.68 90 bottom
R651  100.0  [0402]  24.29 18.68 90 bottom
R652  100.0  [0402]  12.29 12.28 270 bottom
R653  100.0  [0402]  13.89 15.48 270 bottom
R654  100.0  [0402]  13.09 13.08 270 bottom
R655  100.0  [0402]  14.69 16.28 270 bottom
R656  100.0  [0402]  13.89 13.88 270 bottom
R657  100.0  [0402]  12.29 15.48 270 bottom
R658  100.0  [0402]  14.69 14.68 270 bottom
R659  100.0  [0402]  13.09 16.28 270 bottom
R660  100.0  [0402]  12.29 13.88 270 bottom
R661  100.0  [0402]  13.09 19.48 270 bottom
R662  100.0  [0402]  13.09 14.68 270 bottom
R663  100.0  [0402]  13.89 18.68 270 bottom
R664  100.0  [0402]  15.09 12.68 0 bottom
R665  100.0  [0402]  16.69 11.08 0 bottom
R666  100.0  [0402]  13.49 11.08 0 bottom
R667  100.0  [0402]  16.69 12.68 0 bottom
R668  100.0  [0402]  14.29 11.88 0 bottom
R669  100.0  [0402]  17.49 13.48 0 bottom
R670  100.0  [0402]  15.89 13.48 0 bottom
R671  100.0  [0402]  17.49 11.88 0 bottom
R672  100.0  [0402]  15.09 11.08 0 bottom
R673  100.0  [0402]  20.69 11.88 0 bottom
R674  100.0  [0402]  15.89 11.88 0 bottom
R675  100.0  [0402]  19.89 12.68 0 bottom
R676  100.0  [0402]  12.29 17.88 270 bottom
R677  10K  [0402]  21.49 25.88 90 bottom
R678  10K  [0402]  23.09 25.88 90 bottom
R679  10K  [0402]  11.49 21.48 90 bottom
R680  10K  [0402]  26.68 22.88 270 bottom
R681  10K  [0402]  22.29 25.88 270 bottom
R682  10K  [0402]  23.89 25.88 270 bottom
R683  10K  [0402]  11.49 19.88 90 bottom
R684  10K  [0402]  26.68 24.48 270 bottom
R685  100.0  [0402]  65.09 41.88 180 bottom
R686  100.0  [0402]  68.29 40.28 180 bottom
R687  100.0  [0402]  65.89 41.08 180 bottom
R688  100.0  [0402]  69.09 39.48 180 bottom
R689  100.0  [0402]  66.69 40.28 180 bottom
R690  100.0  [0402]  68.29 41.88 180 bottom
R691  100.0  [0402]  67.49 39.48 180 bottom
R692  100.0  [0402]  69.09 41.08 180 bottom
R693  100.0  [0402]  66.69 41.88 180 bottom
R694  100.0  [0402]  72.29 41.08 180 bottom
R695  100.0  [0402]  67.49 41.08 180 bottom
R696  100.0  [0402]  71.49 40.28 180 bottom
R697  100.0  [0402]  77.49 29.48 90 bottom
R698  100.0  [0402]  75.89 32.68 90 bottom
R699  100.0  [0402]  76.69 30.28 90 bottom
R700  100.0  [0402]  75.09 33.48 90 bottom
R701  100.0  [0402]  75.89 31.08 90 bottom
R702  100.0  [0402]  77.49 32.68 90 bottom
R703  100.0  [0402]  75.09 31.88 90 bottom
R704  100.0  [0402]  76.69 33.48 90 bottom
R705  100.0  [0402]  77.49 31.08 90 bottom
R706  100.0  [0402]  76.69 36.68 90 bottom
R707  100.0  [0402]  76.69 31.88 90 bottom
R708  100.0  [0402]  75.89 35.88 90 bottom
R709  100.0  [0402]  63.89 29.48 270 bottom
R710  100.0  [0402]  65.49 32.68 270 bottom
R711  100.0  [0402]  64.69 30.28 270 bottom
R712  100.0  [0402]  66.29 33.48 270 bottom
R713  100.0  [0402]  65.49 31.08 270 bottom
R714  100.0  [0402]  63.89 32.68 270 bottom
R715  100.0  [0402]  66.29 31.88 270 bottom
R716  100.0  [0402]  64.69 33.48 270 bottom
R717  100.0  [0402]  63.89 31.08 270 bottom
R718  100.0  [0402]  64.69 36.68 270 bottom
R719  100.0  [0402]  64.69 31.88 270 bottom
R720  100.0  [0402]  65.49 35.88 270 bottom
R721  100.0  [0402]  66.69 29.88 0 bottom
